# Altium PCB Hrafn_backup.PcbDoc (part 1 of 5) (continued)
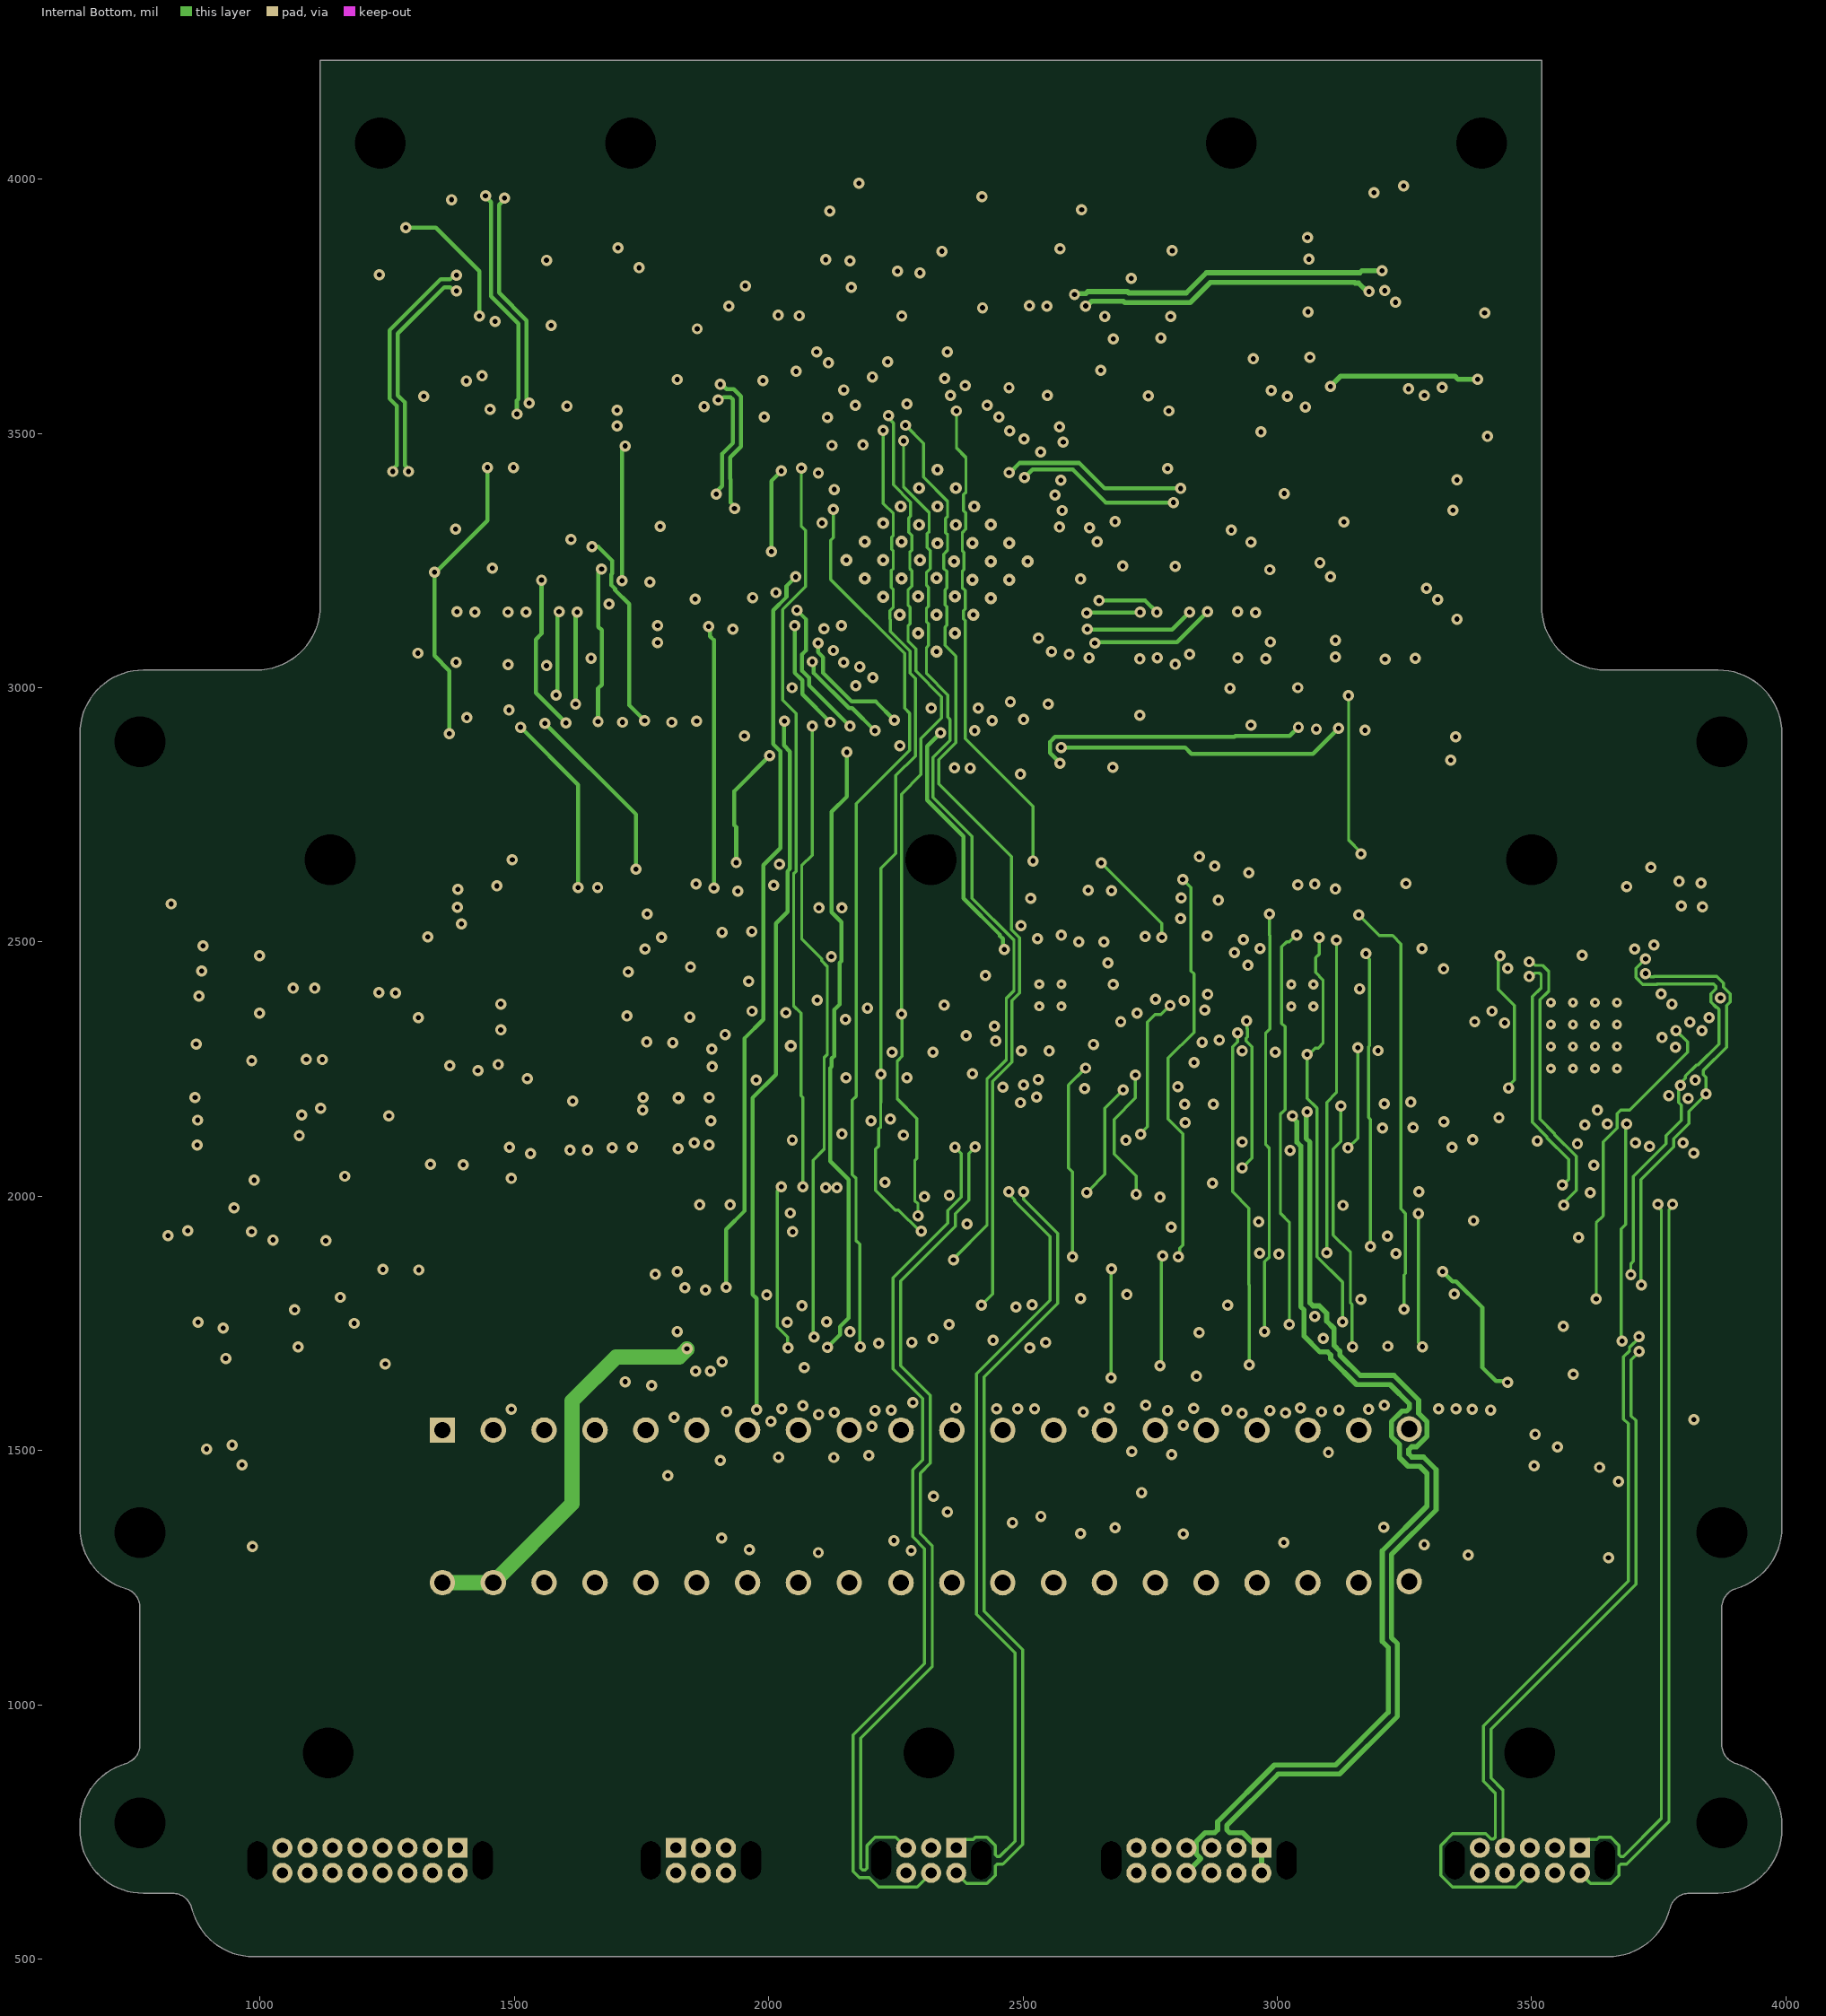
[diagram p4: Internal Bottom]
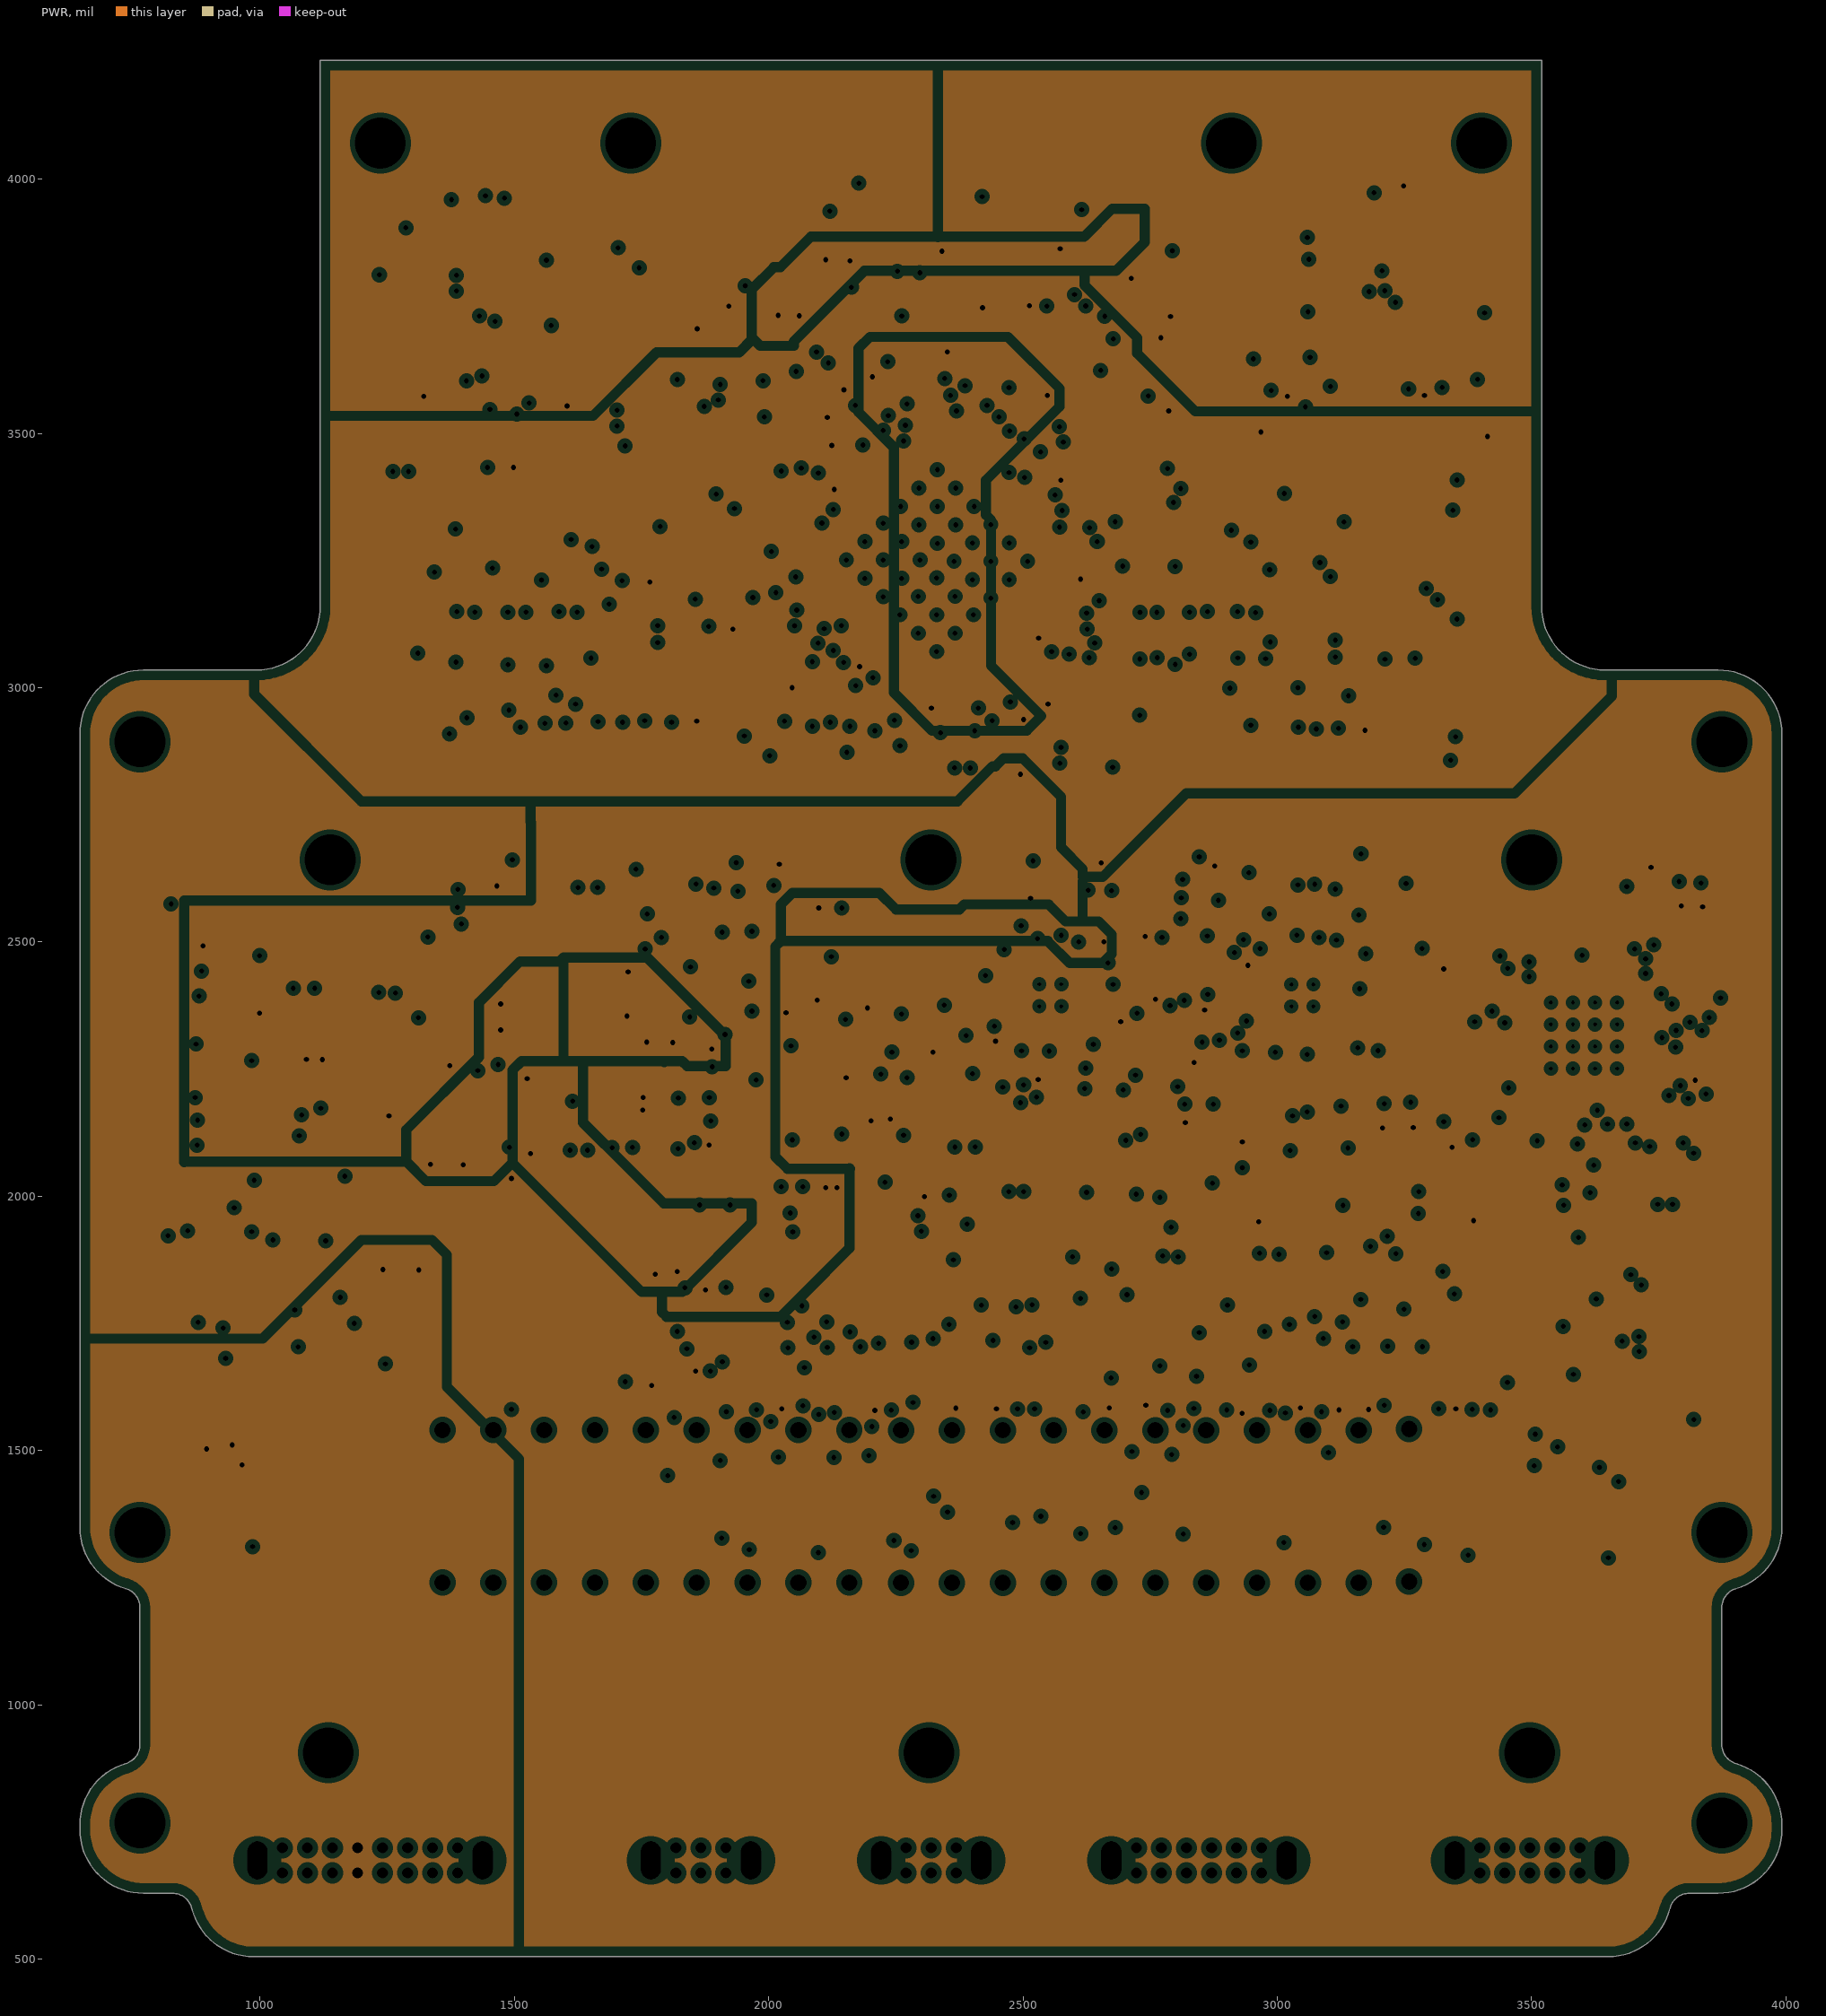
[diagram p5: PWR, clearances drawn from the general rule]

## Layer stack, top to bottom
Top Solder: solder mask 0.4, Solder Resist, Dk 3.5
Top Layer: signal copper 1.378
Dielectric 1: prepreg 4.6, PP-016, Dk 4.4
GND: plane copper 1.378, net (Multiple Nets)
Dielectric 2: core 14, PP-006, Dk 4.1
Internal Top: signal copper 1.378
Dielectric 3: prepreg 10, PP-016, Dk 4.4
Internal Bottom: signal copper 1.378
Dielectric 4: core 14, PP-006, Dk 4.1
PWR: plane copper 1.378, net (Multiple Nets)
Dielectric 5: prepreg 4.6, PP-016, Dk 4.4
Bottom Layer: signal copper 1.378
Bottom Solder: solder mask 0.4, Solder Resist, Dk 3.5

## Board outline
645.5,754.31 645.5,764.34 cw(c770.5,764.34) 735.32,884.29 ccw(c724.24,922.07) 763.61,922.07 763.61,1190.88 ccw(c724.24,1190.88) 735.32,1228.66 cw(c770.5,1348.6) 645.5,1348.6 645.5,2909.82 cw(c770.5,2909.82) 770.5,3034.82 992.94,3034.82 ccw(c992.94,3159.82) 1117.94,3159.82 1117.94,4234.03 3519.52,4234.03 3519.52,3159.82 ccw(c3644.52,3159.82) 3644.52,3034.82 3866.96,3034.82 cw(c3866.96,2909.82) 3991.96,2909.82 3991.96,1348.6 cw(c3866.96,1348.6) 3902.14,1228.66 ccw(c3913.22,1190.88) 3873.85,1190.88 3873.85,922.07 ccw(c3913.22,922.07) 3902.14,884.29 cw(c3866.96,764.34) 3991.96,764.34 3991.96,754.31 cw(c3866.96,754.31) 3866.96,629.31 3809.96,629.31 ccw(c3809.96,589.94) 3771.75,599.41 cw(c3650.42,629.5) 3650.42,504.5 987.04,504.5 cw(c987.04,629.5) 865.71,599.41 ccw(c827.5,589.94) 827.5,629.31 770.5,629.31 cw(c770.5,754.31)

## Design rules (kind name [scope] priority, off if disabled: settings)
BoardOutlineClearance [All] p1: gap=0 ignorepadtopadclearanceinfootprint=FALSE
Clearance Clearance_HighSpeed [OnLayer('High Speed Bottom') Or OnLayer('High Speed Top') vs InNet('GND')] p1: gap=6 ignorepadtopadclearanceinfootprint=FALSE except(0: Arc-Hole Track-Hole SMDPad-Hole THPad-Hole Via-Hole Fill-Hole Poly-Hole Region-Hole Text-Hole; 5: Arc-Via Track-Via SMDPad-Via THPad-Via Via-Via; 25: Arc-Fill Arc-Poly Arc-Region Track-Fill Track-Poly Track-Region THPad-Fill THPad-Poly THPad-Region Via-Fill Via-Poly Via-Region Fill-Fill Fill-Poly Fill-Region Poly-Poly Poly-Region Region-Region)
Clearance Clearance_General [All] p2: gap=5 ignorepadtopadclearanceinfootprint=FALSE except(6: SMDPad-SMDPad; 7: SMDPad-THPad SMDPad-Via THPad-Via Via-Via)
Clearance "Clearance~Sunstone Circuits" [All] p3: gap=6 ignorepadtopadclearanceinfootprint=FALSE except(0: Arc-Hole Track-Hole SMDPad-Hole THPad-Hole Via-Hole Fill-Hole Poly-Hole Region-Hole Text-Hole) // Sunstone Circuits Minimum Clearance Rule (MLB~4&6 Layer Designs)
DiffPairsRouting DiffPairsRoutingD100 [InDifferentialPairClass('LVDS')  or InDifferentialPairClass('ETH')] p1: maxlimit=9 minlimit=8 mostfreqgap=9 toplayer_maxgap=8 toplayer_prefgap=8 toplayer_minwidth=6 toplayer_maxwidth=6 toplayer_prefwidth=6 midlayer1_mingap=9 midlayer1_minwidth=6 midlayer1_maxwidth=6 midlayer1_prefwidth=6 midlayer2_mingap=9 midlayer2_minwidth=6 midlayer2_maxwidth=6 midlayer2_prefwidth=6 bottomlayer_maxgap=8 bottomlayer_prefgap=8 bottomlayer_minwidth=6 bottomlayer_maxwidth=6 bottomlayer_prefwidth=6 impedanceprofiledriven=TRUE impedanceprofileid={0255C0EB-6B69-438E-8701-ADB483C0637E} impedanceprofilevalue=100.000000 maxuncoupledlength=100
DiffPairsRouting DiffPairsRoutingRS422 [InDifferentialPairClass('CAN')] p2: maxlimit=9 minlimit=8 mostfreqgap=9 toplayer_maxgap=8 toplayer_prefgap=8 toplayer_minwidth=6 toplayer_maxwidth=6 toplayer_prefwidth=6 midlayer1_mingap=9 midlayer1_minwidth=6 midlayer1_maxwidth=6 midlayer1_prefwidth=6 midlayer2_mingap=9 midlayer2_minwidth=6 midlayer2_maxwidth=6 midlayer2_prefwidth=6 bottomlayer_maxgap=8 bottomlayer_prefgap=8 bottomlayer_minwidth=6 bottomlayer_maxwidth=6 bottomlayer_prefwidth=6 impedanceprofiledriven=TRUE impedanceprofileid={0255C0EB-6B69-438E-8701-ADB483C0637E} impedanceprofilevalue=100.000000 maxuncoupledlength=100
DiffPairsRouting [All] p3: maxlimit=10 minlimit=6 mostfreqgap=8 toplayer_minwidth=6 toplayer_maxwidth=10 toplayer_prefwidth=8 midlayer1_minwidth=6 midlayer1_maxwidth=10 midlayer1_prefwidth=8 midlayer2_minwidth=6 midlayer2_maxwidth=10 midlayer2_prefwidth=8 bottomlayer_minwidth=6 bottomlayer_maxwidth=10 bottomlayer_prefwidth=8 maxuncoupledlength=500
HoleSize [All] p1: absolutevalues=TRUE maxlimit=1000 minlimit=6 maxpercent=80.000 minpercent=20.000
HoleSize "HoleSize~Sunstone Circuits" [All] p2: absolutevalues=TRUE maxlimit=251 minlimit=8 maxpercent=80.000 minpercent=20.000 // Sunstone Circuits Hole Size Rule (MLB~4&6 Layer Designs)
HoleSize Testpoint [All] p3: absolutevalues=TRUE maxlimit=100 minlimit=1 maxpercent=80.000 minpercent=20.000
HoleSize TestPointUsage [All] p4: absolutevalues=TRUE maxlimit=100 minlimit=1 maxpercent=80.000 minpercent=20.000
MatchedLengths LVDS [InDifferentialPairClass('LVDS')] p1: tolerance=100 checknetsindiffpair=TRUE checkdiffpairvsdiffpair=FALSE checkxsignals=FALSE checkothers=FALSE
MatchedLengths RS422 [InDifferentialPairClass('RS422')] p2: tolerance=50 checknetsindiffpair=TRUE checkdiffpairvsdiffpair=FALSE checkxsignals=FALSE checkothers=FALSE
MaxMinImpedance [InNetClass('50S')] p1: minimum=1.000 maximum=10.00
MinimumAnnularRing [IsVia] p1: minimumring=4
MinimumAnnularRing "MinimumAnnularRing~Sunstone Circuits" [All] p2: minimumring=7 // Sunstone Circuits Minimum Annular Ring (MLB~4&6 Layer Designs)
MinimumSolderMaskSliver [All] p1: minsoldermaskwidth=3
PlaneClearance PlaneClearance_General [All] p1: clearance=10
PlaneClearance "PlaneClearance~Sunstone Circuits" [All] p2: clearance=12 // Sunstone Circuits Power Plane Clearance Rule (MLB~4&6 Layer Designs)
PlaneConnect [All] p1: pad.planeconnectstyle=Relief pad.reliefexpansion=20 pad.reliefentries=4 pad.reliefconductorwidth=10 pad.reliefairgap=10 via.planeconnectstyle=Direct via.reliefexpansion=20 via.reliefentries=4 via.reliefconductorwidth=10 via.reliefairgap=10
PlaneConnect "PlaneConnect~Sunstone Circuits" [All] p2: planeconnectstyle=Relief reliefexpansion=10 reliefentries=4 reliefconductorwidth=8 reliefairgap=10 // Sunstone Circuits Power Plane Connect Rule (MLB~4&6 Layer Designs)
PolygonConnect "PolygonConnect~Sunstone Circuits" [All] p1: thpad.connectstyle=Relief thpad.reliefconductorwidth=8 thpad.reliefentries=4 thpad.polygonreliefangle="90 Angle" thpad.airgapwidth=10 smdpad.connectstyle=Relief smdpad.reliefconductorwidth=8 smdpad.reliefentries=4 smdpad.polygonreliefangle="90 Angle" smdpad.airgapwidth=10 via.connectstyle=Direct via.reliefconductorwidth=8 via.reliefentries=4 via.polygonreliefangle="90 Angle" via.airgapwidth=10 // Sunstone Circuits Polygon Connect Style (MLB~4&6 Layer Designs)
PolygonConnect general_polygons [All] p2: thpad.connectstyle=Relief thpad.reliefconductorwidth=10 thpad.reliefentries=4 thpad.polygonreliefangle="90 Angle" thpad.airgapwidth=10 smdpad.connectstyle=Relief smdpad.reliefconductorwidth=10 smdpad.reliefentries=4 smdpad.polygonreliefangle="90 Angle" smdpad.airgapwidth=10 via.connectstyle=Direct via.reliefconductorwidth=10 via.reliefentries=4 via.polygonreliefangle="90 Angle" via.airgapwidth=10
PolygonConnect thermal_surface [All] p3: connectstyle=Direct reliefconductorwidth=10 reliefentries=4 polygonreliefangle="90 Angle" airgapwidth=10
RoomDefinition MF2 [InComponentClass('MF2')] p1: confinementstyle=ConfineIn formatcopy=TRUE lockcomponents=FALSE outline 2800.45,3152.12 2800.45,3205.59 2800.45,3270.55 2889.35,3270.55 2889.35,3189.52 2889.35,3061.57 2800.45,3061.57
RoomDefinition MF3 [InComponentClass('MF3')] p2: confinementstyle=ConfineIn formatcopy=TRUE lockcomponents=FALSE outline 2894.94,3151.12 2894.94,3204.59 2894.94,3269.55 2983.84,3269.55 2983.84,3188.52 2983.84,3060.57 2894.94,3060.57
RoomDefinition MF4 [InComponentClass('MF4')] p3: confinementstyle=ConfineIn formatcopy=TRUE lockcomponents=FALSE outline 2992.75,3033.4 2992.75,3122.3 3073.78,3122.3 3201.73,3122.3 3201.73,3033.4 3111.18,3033.4 3057.71,3033.4
RoomDefinition MF5 [InComponentClass('MF5')] p4: confinementstyle=ConfineIn formatcopy=TRUE lockcomponents=FALSE outline 1359.88,3152.12 1359.88,3205.59 1359.88,3270.55 1448.78,3270.55 1448.78,3189.52 1448.78,3061.57 1359.88,3061.57
RoomDefinition MF6 [InComponentClass('MF6')] p5: confinementstyle=ConfineIn formatcopy=TRUE lockcomponents=FALSE outline 1460.37,3152.12 1460.37,3205.59 1460.37,3270.55 1549.27,3270.55 1549.27,3189.52 1549.27,3061.57 1460.37,3061.57
RoomDefinition MF7 [InComponentClass('MF7')] p6: confinementstyle=ConfineIn formatcopy=TRUE lockcomponents=FALSE outline 1560.86,3152.12 1560.86,3205.59 1560.86,3270.55 1649.76,3270.55 1649.76,3189.52 1649.76,3061.57 1560.86,3061.57
RoomDefinition MF8 [InComponentClass('MF8')] p7: confinementstyle=ConfineIn formatcopy=TRUE lockcomponents=FALSE outline 1661.08,3058.98 1661.08,3147.88 1742.1,3147.88 1870.05,3147.88 1870.05,3058.98 1779.5,3058.98 1726.04,3058.98
RoomDefinition U_Power_HK [InComponentClass('U_Power_HK')] p8: confinementstyle=ConfineIn formatcopy=TRUE lockcomponents=FALSE outline 750.83,1941.77 750.83,2697.99 2403.01,3732.47 2566.71,3732.47 3698.73,1435.51 3706.67,1371.39 3706.67,1274.61 1505.02,587.56 928.71,587.56 778.02,1511.51
RoomDefinition U_Magnetometers [InComponentClass('U_Magnetometers')] p9: confinementstyle=ConfineIn formatcopy=TRUE lockcomponents=FALSE outline 2015.87,3548.49 2015.87,3629.51 2085.47,3923.39 2184.24,4033.78 2342.2,4033.78 2500.24,3964.79 2570.04,3807.24 2643.51,3264.49 2634.15,3185.25 2600.7,3021.75 2554.01,2973.43 2516.21,2935.62 2381.77,2901.75 2054.71,2967.36 2034.06,3187.63
RoomDefinition U_Hrafn_Top [InComponentClass('U_Hrafn_Top')] p10: confinementstyle=ConfineIn formatcopy=TRUE lockcomponents=FALSE outline 1073.02,1183.98 1073.02,1608.66 1107.61,1689.39 1911.73,1876.22 2647.95,1882.84 3404.17,1882.84 3542.03,1608.66 3542.03,1183.98
RoomDefinition U_Ethernet [InComponentClass('U_Ethernet')] p11: confinementstyle=ConfineIn formatcopy=TRUE lockcomponents=FALSE outline 3283.03,588.16 3283.03,801.08 3283.31,1980.63 3299.53,2330.95 3305.43,2370.31 3334.61,2482.39 3674.52,2696.73 3736.02,2701.49 3893.98,2701.49 3913.76,2508.91 3914.53,2461.9 3914.53,2390.72 3879.02,1609.94 3711.69,588.16
RoomDefinition U_Clock [InComponentClass('U_Clock')] p12: confinementstyle=ConfineIn formatcopy=TRUE lockcomponents=FALSE outline 1728.36,586.59 1728.36,799.51 2163.22,2357.58 2303.98,2371.22 2357.44,2371.22 2846.99,2367.29 2919.42,2365.7 2928.57,2102.84 2928.57,1870.76 2483.21,588.35 2004.58,586.59
RoomDefinition U_CAN_Bus [InComponentClass('U_CAN_Bus')] p13: confinementstyle=ConfineIn formatcopy=TRUE lockcomponents=FALSE outline 2606.87,588.54 2606.87,801.46 2864.49,2405.75 2895.27,2467.51 2950.74,2545.73 3031.76,2545.73 3285.71,2513.86 3311.3,2474.49 3314.98,2270.49 3314.98,2053.51 3084.74,588.54
RoomDefinition MF1 [InComponentClass('MF1')] p14: confinementstyle=ConfineIn formatcopy=TRUE lockcomponents=FALSE outline 2703.02,3151.12 2703.02,3204.59 2703.02,3269.55 2791.92,3269.55 2791.92,3188.52 2791.92,3060.57 2703.02,3060.57
RoomDefinition MC2 [InComponentClass('MC2')] p15: confinementstyle=ConfineIn formatcopy=TRUE lockcomponents=FALSE outline 2573.1,2803.09 2573.1,3052.42 2573.42,3459.06 2584.49,3937.36 2939.16,3964.17 3189.8,3978.5 3286.57,3978.5 3392.16,3964.17 3411.62,3534.45 3411.62,3457.36 3408.86,3191.53 3329.87,2530.43 2924.93,2493.01 2702.18,2493.01
RoomDefinition MC1 [InComponentClass('MC1')] p16: confinementstyle=ConfineIn formatcopy=TRUE lockcomponents=FALSE outline 1226.97,3336.22 1226.97,3431.5 1244.97,3944.32 1697.97,3944.32 1830.91,3902.57 2068.5,3824.07 2093.66,3724.57 2120.07,3513.05 2120.07,3435.96 2093.74,3273.32 2014.36,2807.02 1937.88,2524.36 1589.72,2492.95 1481.14,2492.95 1286.26,2513.62 1258.14,2807.02
RoomDefinition LCF [InComponentClass('LCF')] p17: confinementstyle=ConfineIn formatcopy=TRUE lockcomponents=FALSE outline 1460.47,2265.79 1460.47,2506.26 1766.57,2517.09 1847.6,2517.09 1847.6,2388.82 1843.66,2300.24 1740.32,2265.79
RoutingVias [All] p1: holewidth=10 width=22 viastyle="Through Hole" minholewidth=8 minwidth=20 maxholewidth=28 maxwidth=50
RoutingVias "RoutingVias~Sunstone Circuits" [All] p2: holewidth=16 width=30 viastyle="Through Hole" minholewidth=8 minwidth=24 maxholewidth=20 maxwidth=40 // Sunstone Circuits Routing Vias Rule (MLB~4&6 Layer Designs)
ShortCircuit "ShortCircuit~Sunstone Circuits" [All] p1: allowed=FALSE // Sunstone Circuits Short Circuit Rule~Do Not Allow (MLB~4&6 Layer Designs)
ShortCircuit [All] p2: allowed=FALSE
SilkToSilkClearance [All] p1: silktosilkclearance=0
SilkToSolderMaskClearance SilkToSolderMaskClearance_pad [IsPad] p1: minsilkscreentomaskgap=5 clearancetoexposedcopper=TRUE
SilkToSolderMaskClearance [(IsVia OR InPadClass('All Pads'))] p2: minsilkscreentomaskgap=3 clearancetoexposedcopper=TRUE
SolderMaskExpansion "Pads and Vias" [(InPadClass('All Pads') OR IsVia)] p1: expansion=2 istentingtop=FALSE
SolderMaskExpansion Default [All] p2: expansion=5 istentingtop=FALSE
SolderMaskExpansion "SolderMaskExpansion~Sunstone Circuits" [All] p3: expansion=3 istentingtop=FALSE // Sunstone Circuits Solder Mask Expansion Rule (MLB~4&6 Layer Designs)
ViasUnderSMD "ViasUnderSMD~Sunstone Circuits" [All] p1: allowed=FALSE // Sunstone Circuits Vias Under SMD~Do Not Allow (MLB~4&6 Layer Designs)
Width "Controlled Impedance" [InNetClass('50S')] p1: maxlimit=17.36 minlimit=3.65 preferedwidth=15 toplayer_minwidth=15 midlayer1_maxwidth=5 midlayer1_prefwidth=5 midlayer2_maxwidth=5 midlayer2_prefwidth=5 bottomlayer_minwidth=15 minimp=50.000000 maximp=50.000000 favimp=50.000000
Width General [All] p2: maxlimit=30 minlimit=6 preferedwidth=8
Width "Width~Sunstone Circuits" [All] p3: maxlimit=100 minlimit=6 preferedwidth=10 // Sunstone Circuits Minimum Width Rule (MLB~4&6 Layer Designs)
22 further rules are at their usual default settings.

## Classes and differential pairs
differential pair class LVDS: 800KHZ PPS
differential pair class ETH: A B TPIN TPOUT
differential pair class ANALOG_DIFF: OUTAA OUTAB OUTBA OUTBB OUTCA OUTCB
channel class Magnetometer_Filter: MF1 MF2 MF3 MF4 MF5 MF6 MF7 MF8
channel class Magnetometer_Channel: MC1 MC2
component class U_Power_HK: C4 C5 C6 C7 C8 C9 C10 C11 C12 C13 C14 C15 C16 C17 C19 C20 C21 C22 C23 C24 C25 C26 C27 C28 C29 C30 C31 C32 C33 C34 C36 C37 C40 C42 C60 C66 C67 C107 C108 D1 D2 D3 D4 D5 D6 FB3 FB4 FL1 J2 L1 P3 Q1 R46 R47 R48 R49 R50 R51 R52 R53 R54 R55 R56 R57 R58 R59 R60 R61 R62 R63 R64 R65 R66 R67 R68 R69 R70 R71 R72 R73 R74 R75 R76 R77 R78 R79 R80 U1 U2 U3 U4 U5 U6 U7 U8 U28
component class U_Magnetometers: C89 C90 C91 C92 C93 C94 C95 C99 C100 C101 C102 C103 C104 C105 C106 C109 C116 C117 R121 R122 R123 R124 R125 R126 R127 R128 R129 R130 R131 R132 U26 U27
component class U_Hrafn_Top: FB2 J1 P1 P2 R1 R2 R3 R4 R5 R6 R7 R8 R9 R10 R11 R12 R13 R14 R15 R16 R17 R18 R19 R20 R21 R22 R23 R24 R25 R26 R27 R28 R29 R30 R31 R32 R33 R34 R35 R36 R37 R38 R39 R40 R41 R42 R43 R44 R45 R104
component class U_Ethernet: C68 C69 C70 C71 C72 C73 C75 C76 C77 C81 C85 C86 C87 D15 D16 FB5 FB6 FB7 J5 R106 R107 R108 R109 R111 R112 R113 R114 R115 R116 U21 U22 U23 X1
component class U_Clock: C56 C57 C58 C59 C78 C79 C80 D7 D8 D9 D10 J3 J4 P6 R99 R100 R101 U15 U16 U17 U18
component class U_CAN_Bus: C82 C83 C84 C88 C96 C97 C98 FB8 J6 R103 R117 R118 R119 U24 U25 X2
component class MF8: C110H C111H C112H R133H R134H
component class MF7: C110G C111G C112G R133G R134G
component class MF6: C110F C111F C112F R133F R134F
component class MF5: C110E C111E C112E R133E R134E
component class MF4: C110D C111D C112D R133D R134D
component class MF3: C110C C111C C112C R133C R134C
component class MF2: C110B C111B C112B R133B R134B
component class MF1: C110A C111A C112A R133A R134A
component class MC2: C38B C39B C41B C43B C44B C45B C46B C47B C48B C49B C50B C51B C61B C62B P4B Q2B Q3B R81B R82B R83B R84B R85B R86B R87B R88B R89B R90B R91B R92B R93B R94B R95B R96B R97B R98B U9B U10B U11B U12B U13B U14B
component class MC1: C38A C39A C41A C43A C44A C45A C46A C47A C48A C49A C50A C51A C61A C62A P4A Q2A Q3A R81A R82A R83A R84A R85A R86A R87A R88A R89A R90A R91A R92A R93A R94A R95A R96A R97A R98A U9A U10A U11A U12A U13A U14A
component class LCF: C63 C64 C65 L2 R102
differential pair CAN: +CAN_p -CAN_n
differential pair TPOUT: +TPOUT_P -TPOUT_N
differential pair TPIN: +TPIN_P -TPIN_N
differential pair PPS: +PPS_P -PPS_N
differential pair OUTCB: +OUTCB_P -OUTCB_N
differential pair OUTCA: +OUTCA_P -OUTCA_N
differential pair OUTBB: +OUTBB_P -OUTBB_N
differential pair OUTBA: +OUTBA_P -OUTBA_N
differential pair OUTAB: +OUTAB_P -OUTAB_N
differential pair OUTAA: +OUTAA_P -OUTAA_N
differential pair B: +B_P -B_N
differential pair A: +A_P -A_N
differential pair 800KHZ: +800KHZ_P -800KHZ_N